# Altium PCB PCB1.PcbDoc (part 1 of 2)
Units mil, origin at the board's own origin, x right, y up, seen from the top; angles counter-clockwise.
Board outline 5905.51 x 3937.01 mil, 4 copper layers (Top Layer, Mid-Layer 1, Mid-Layer 2, Bottom Layer); 124 components, 80 nets, 385 pads, 303 vias.
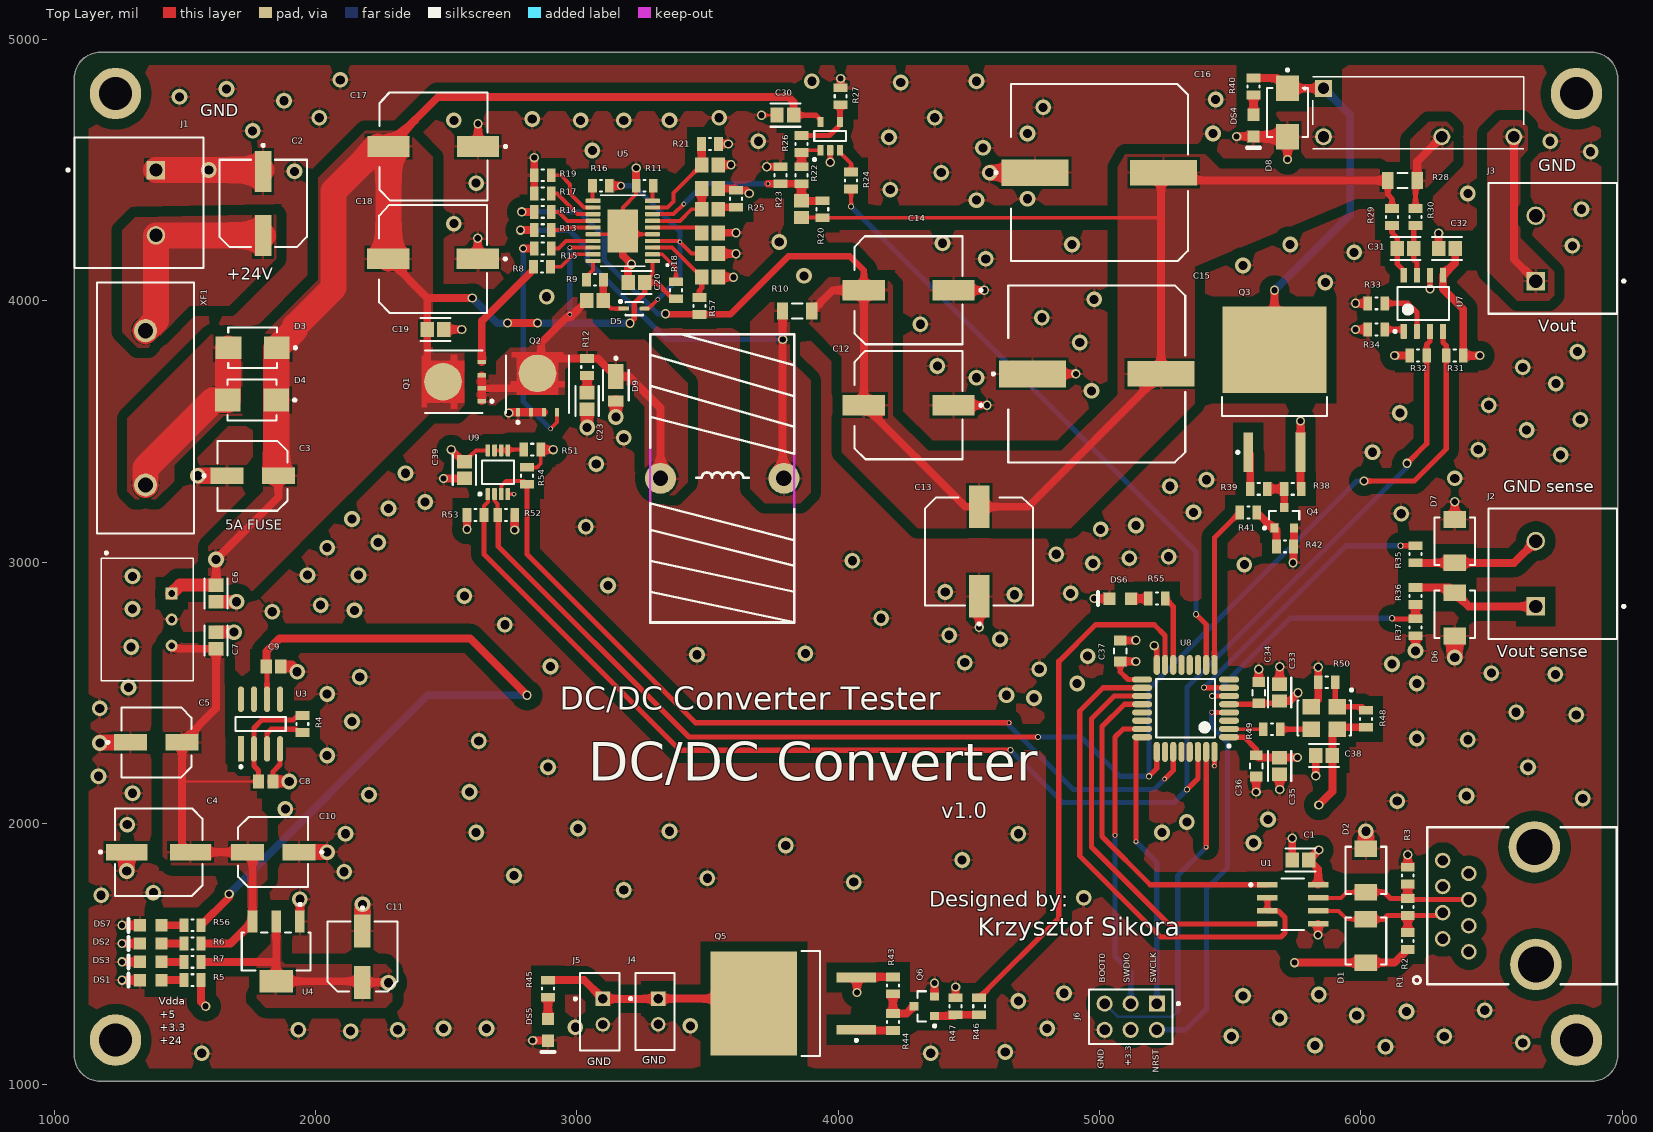
[diagram p0: Top Layer view]
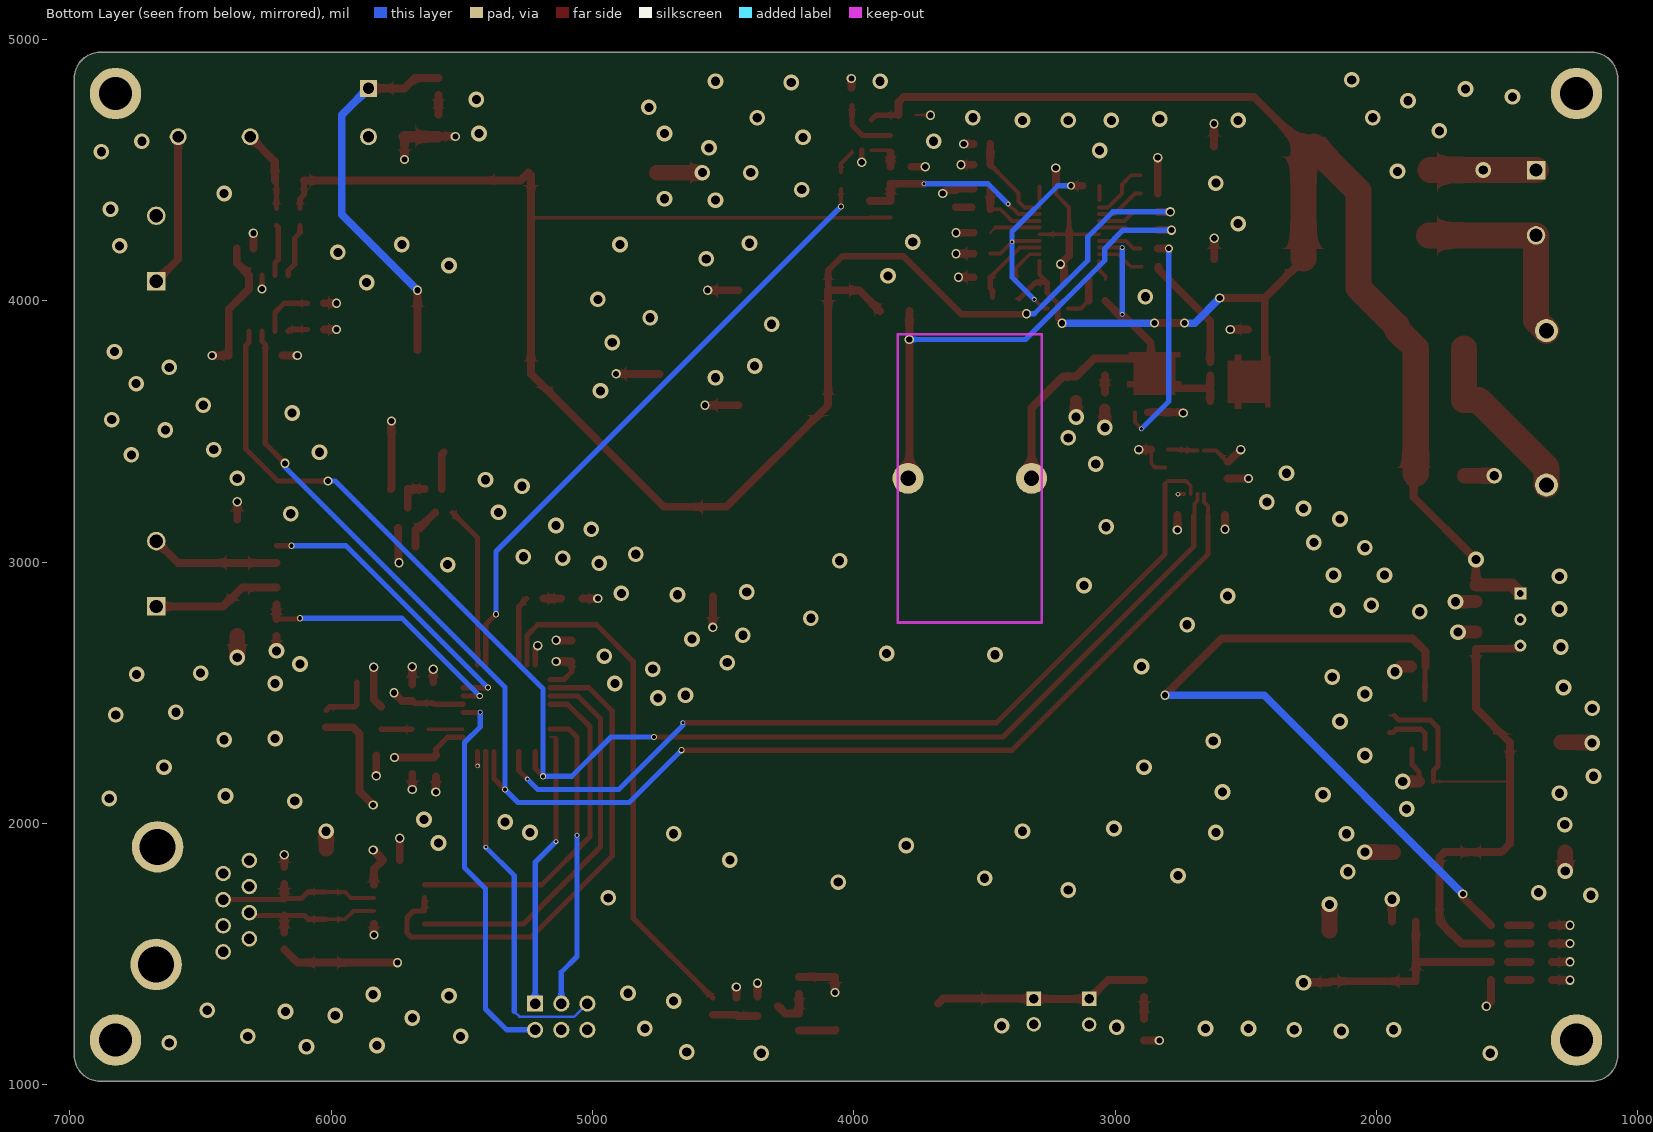
[diagram p1: Bottom Layer view, seen from below]
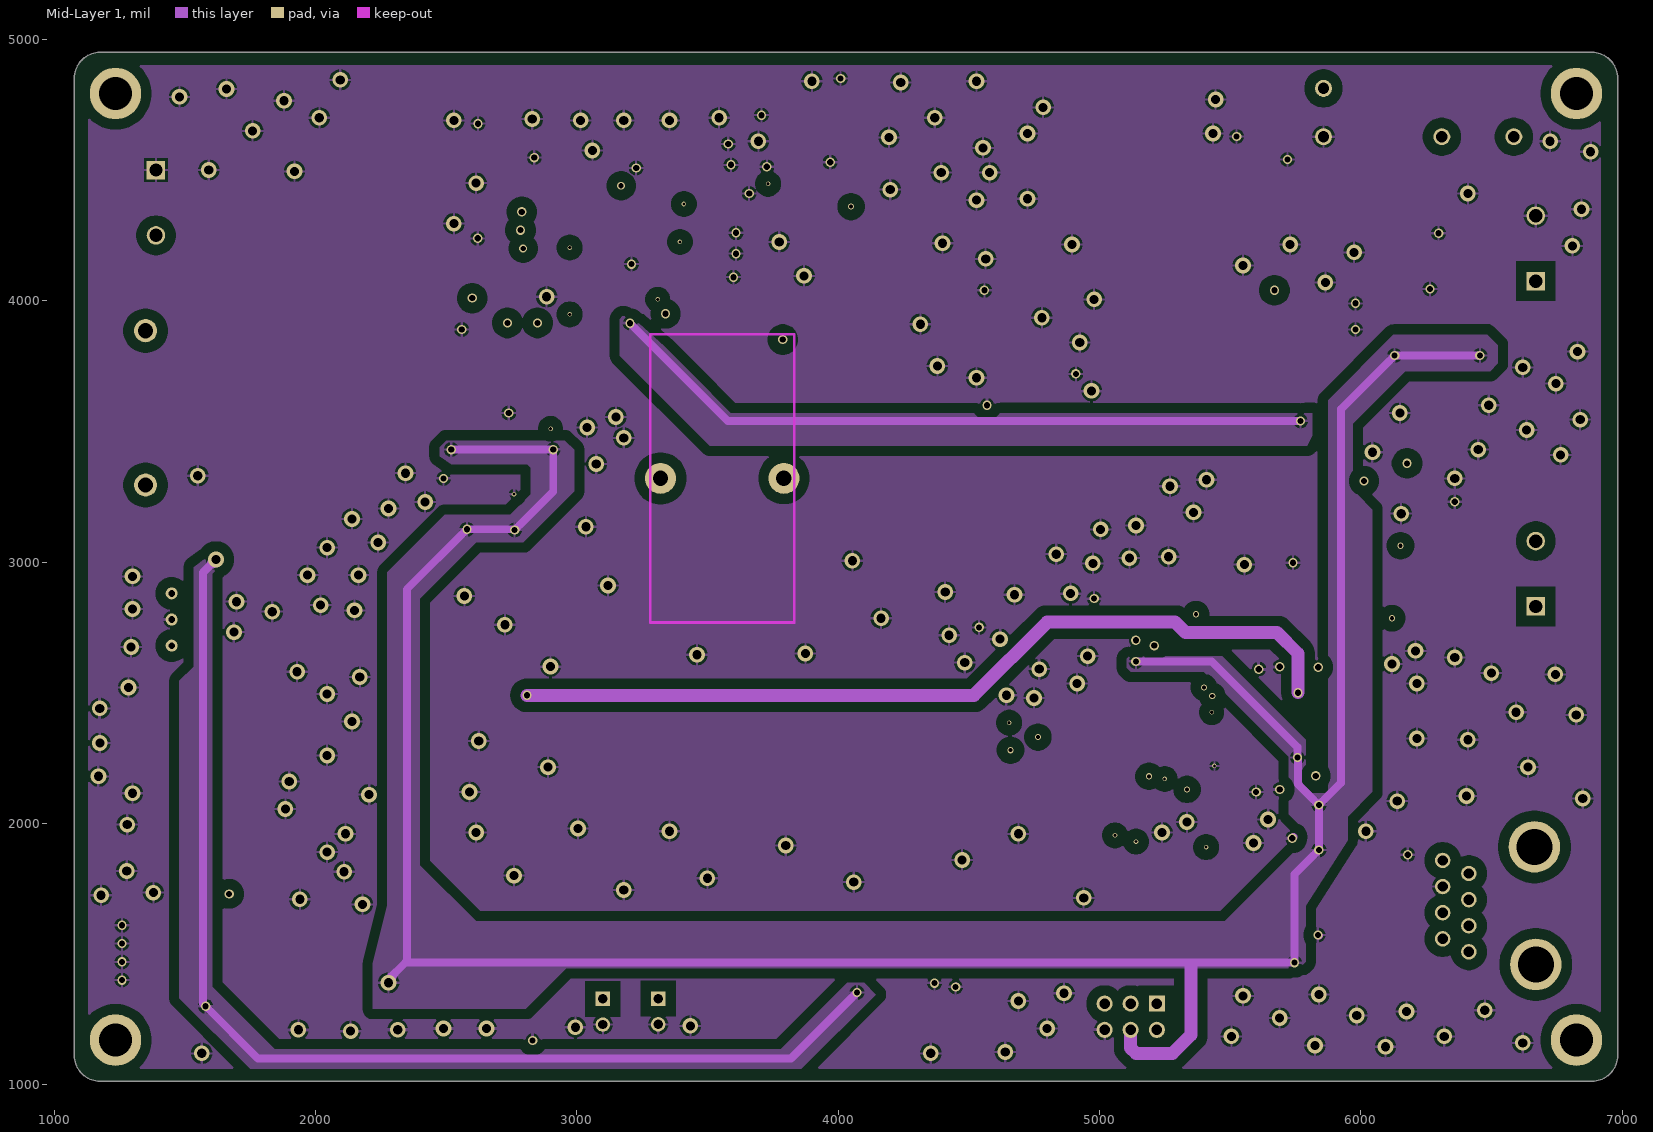
[diagram p2: Mid-Layer 1]
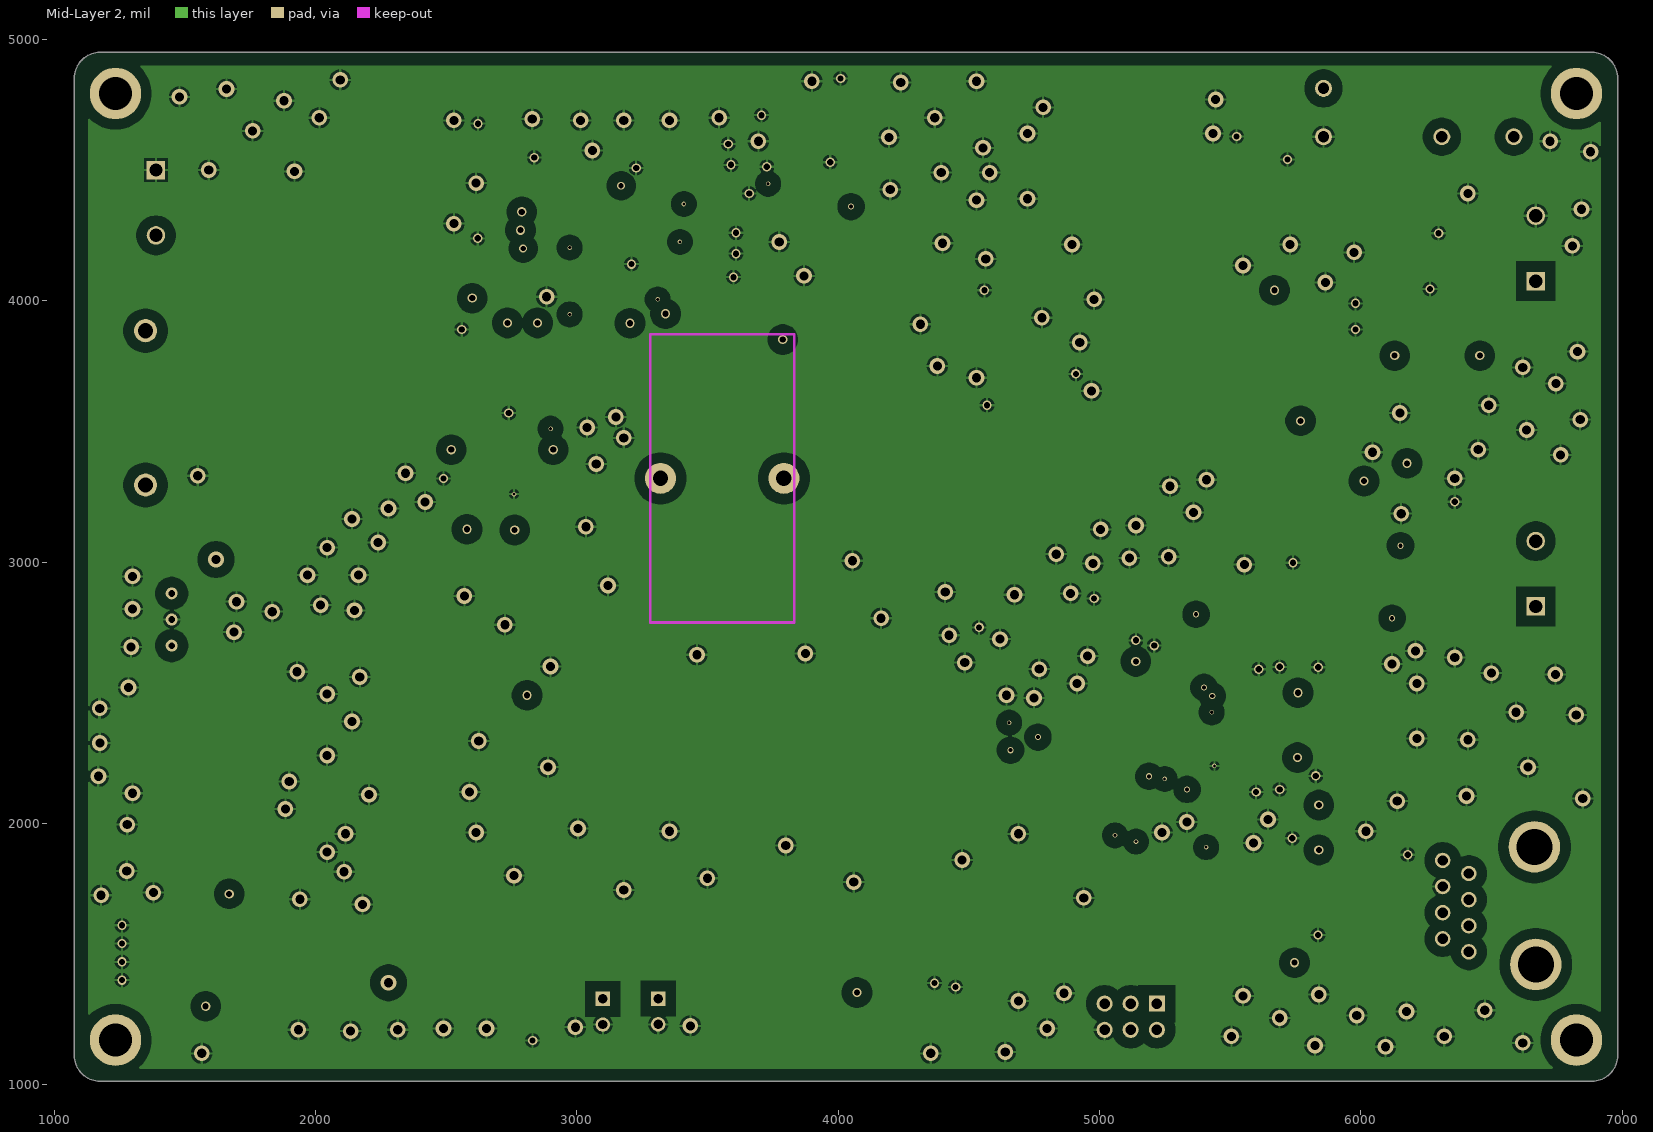
[diagram p3: Mid-Layer 2]

## Layer stack, top to bottom
Top Solder: solder mask 0.4, Solder Resist, Dk 3.5
Top Layer: signal copper 1.4
Dielectric 1: dielectric 12.6, FR-4, Dk 4.8
Mid-Layer 1: signal copper 1.4
Dielectric2: dielectric 12.6, FR-4, Dk 4.8
Mid-Layer 2: signal copper 1.4
Dielectric3: dielectric 12.6, FR-4, Dk 4.8
Bottom Layer: signal copper 1.4
Bottom Solder: solder mask 0.4, Solder Resist, Dk 3.5

## Board outline
1077.73,1111.71 ccw(c1176.15,1111.71) 1176.15,1013.28 6884.81,1013.28 ccw(c6884.81,1111.71) 6983.24,1111.71 6983.24,4851.86 ccw(c6884.81,4851.86) 6884.81,4950.29 1176.15,4950.29 ccw(c1176.15,4851.86) 1077.73,4851.86

## Design rules (kind name [scope] priority, off if disabled: settings)
Clearance [All] p1: gap=3.5 ignorepadtopadclearanceinfootprint=FALSE except(5: Arc-SMDPad Track-SMDPad SMDPad-SMDPad; 7.87: Arc-THPad Arc-Via Arc-Hole Track-THPad Track-Via Track-Hole SMDPad-THPad SMDPad-Via SMDPad-Hole THPad-THPad THPad-Via THPad-Hole Via-Via Via-Hole Fill-Hole Poly-Hole Region-Hole Text-Hole; 10: Arc-Text Track-Text SMDPad-Text THPad-Text Via-Text Fill-Text Poly-Text Region-Text Text-Text; 40: Arc-Poly Track-Poly SMDPad-Poly THPad-Poly Via-Poly Fill-Poly Poly-Poly)
Height [All] p1: minheight=0 maxheight=2000 prefheight=500
HoleSize [All] p1: absolutevalues=TRUE maxlimit=200 minlimit=1 maxpercent=80.000 minpercent=20.000
MinimumSolderMaskSliver [All] p1: minsoldermaskwidth=1
PlaneClearance [All] p1: clearance=40
PolygonConnect [All] p1: connectstyle=Relief reliefconductorwidth=10 reliefentries=4 polygonreliefangle="90 Angle" airgapwidth=10
RoutingVias [All] p1: holewidth=15.75 width=23.62 viastyle="Through Hole" minholewidth=11.81 minwidth=17.72 maxholewidth=200 maxwidth=300
SilkToSolderMaskClearance [IsPad] p1: minsilkscreentomaskgap=5.91 clearancetoexposedcopper=TRUE
SolderMaskExpansion [IsVia] p1: expansion=4 istentingtop=TRUE
SolderMaskExpansion SolderMaskExpansion_1 [All] p2: expansion=4 istentingtop=FALSE
SupplyNets "Schematic Supply Nets_4" [InNet('+3.3')] p1: voltage=0.000
SupplyNets "Schematic Supply Nets_3" [InNet('GND')] p2: voltage=0.000
SupplyNets "Schematic Supply Nets_2" [InNet('+5')] p3: voltage=0.000
SupplyNets "Schematic Supply Nets_1" [InNet('VDDA')] p4: voltage=0.000
SupplyNets "Schematic Supply Nets" [InNet('VIN_MP9928')] p5: voltage=0.000
Width [All] p1: maxlimit=100 minlimit=3.5 preferedwidth=8 minimp=50.000000 maximp=50.000000 favimp=50.000000
25 further rules are at their usual default settings.

## Classes and differential pairs
component class Designator: C1 D1 D2 R1 R2 R3 U1

## Components (designator, comment, footprint, x,y, rotation, side; value= is the part's Value field where it differs from the comment)
C1 "100nF" FP-0805-L_2_01_0_2-W_1_25-IPC_B 5770,1860 r180 top
C2 "22uF" FP-FCE-MFG 1800,4372.05 r270 top
C3 "10uF" FP-FKD-MFG 1760,3330 r0 top
C4 "22uF" FP-FCE-MFG 1400,1890 r0 top
C5 "10uF" FP-FKD-MFG 1391.57,2310 r0 top
C6 "100nF" FP-0805-L_2_01_0_2-W_1_25-IPC_B 1620,2880 r270 top
C7 "100nF" FP-0805-L_2_01_0_2-W_1_25-IPC_B 1620,2700 r90 top
C8 "1uF" CAPC2013X140X50LL20T25 1810,2160 r180 top
C9 "2uF" CAPC2013X140X50LL20T25 1840,2600 r180 top
C10 "1uF" FP-FKD-MFG 1838.43,1890 r180 top
C11 "2.2uF" FP-FKD-MFG 2180,1490 r270 top
C12 "22u" FP-FKG-MFG 4270,3600 r180 top value=220uF
C13 "220u" FP-FKG-MFG 4540,3040 r90 top value=220uF
C14 "220u" FP-FKG-MFG 4270,4040 r180 top value=220uF
C15 "470u" FP-FKJ16-MFG 4990,3720 r0 top
C16 "470u" FP-FKJ16-MFG 5000,4490 r0 top
C17 "220u" FP-FKG-MFG 2451.26,4590 r180 top value=220uF
C18 "22u" FP-FKG-MFG 2450,4160 r180 top value=220uF
C19 "1u" FP-0805-L_2_01_0_2-W_1_25-IPC_B 2460,3890 r180 top
C20 "1u" FP-0805-L_2_01_0_2-W_1_25-IPC_B 3228.28,4070 r0 top
C23 "220p" FP-0805-L_2_01_0_2-W_1_25-IPC_B 3040,3616.54 r90 top
C30 "100n" FP-0805-L_2_01_0_2-W_1_25-IPC_B 3798.28,4710 r0 top
C31 "100nF" FP-0805-L_2_01_0_2-W_1_25-IPC_B 6171.72,4200 r0 top
C32 "100nF" FP-0805-L_2_01_0_2-W_1_25-IPC_B 6330,4200 r0 top
C33 "2.2uF" FP-0805-L_2_01_0_2-W_1_25-IPC_B 5690,2500 r90 top
C34 "100nF" FP-CGA3E-0_3-0_1-IPC_A 5610,2500 r90 top
C35 "2.2uF" FP-0805-L_2_01_0_2-W_1_25-IPC_B 5690,2220 r270 top
C36 "100nF" FP-CGA3E-0_3-0_1-IPC_A 5600,2220 r270 top
C37 "100nF" FP-CGA3E-0_3-0_1-IPC_A 5080,2660 r90 top
C38 "10nF" FP-0805-L_2_01_0_2-W_1_25-IPC_B 5860,2260 r180 top
C39 "100nF" FP-0805-L_2_01_0_2-W_1_25-IPC_B 2570,3351.72 r270 top
D1 "TVS" FP-SMB-MFG 6020,1550 r270 top
D2 "TVS" FP-SMB-MFG 6020,1820 r270 top
D3 "MBRS130L" FP-403AF-MFG 1760,3820 r180 top
D4 "MBRS130L" FP-403AF-MFG 1757.48,3620 r180 top
D5 "1N4148WS" FP-477AB-IPC_C 3220,3970 r0 top
D6 "TVS" FP-SMB-MFG 6360,2800 r270 top
D7 "TVS" FP-SMB-MFG 6360,3080 r90 top
D8 "MBRS130L" FP-403AF-MFG 5720,4720 r270 top
D9 "DFLS1150-7" FP-PowerDI123-MFG 3150,3676.54 r90 top value=28pF
DS1 "LED" AVAG-HSMX-C170_V 1370,1400 r180 top
DS2 "LED" AVAG-HSMX-C170_V 1370,1540 r180 top
DS3 "LED" AVAG-HSMX-C170_V 1370,1470 r180 top
DS4 "LED" AVAG-HSMX-C170_V 5590,4670 r270 top
DS5 "LED" AVAG-HSMX-C170_V 2890,1210 r270 top
DS6 "LED" AVAG-HSMX-C170_V 5080,2860 r180 top
DS7 "LED" AVAG-HSMX-C170_V 1370,1610 r180 top
J1 "1714955" PHOE-1714955_V 1390,4375 r270 top
J2 "1714955" PHOE-1714955_V 6670,2955 r90 top
J3 "1714955" PHOE-1714955_V 6670,4200 r90 top
J4 "JST" FP-B2B-EH-A_LF_SN-MFG 3300,1280 r270 top
J5 "JST" FP-B2B-EH-A_LF_SN-MFG 3088.19,1279.21 r270 top
J6 "M20-9980346" FP-M20-9980346-MFG 5120,1260 r180 top
Q1 "SQJ850EP-T1-GE3" FP-T16-0221-SINGLE-MFG 2530,3690 r90 top
Q2 "SQJ850EP-T1-GE3" FP-T16-0221-SINGLE-MFG 2850,3680 r0 top
Q3 "IPB80P03P4-05" INF-PG-TO263-3-2_N 5670,3660 r90 top
Q4 "MMBTA42LT1G" ONSC-SOT-23-3-318-08_V 5707.4,3169.37 r90 top
Q5 "IPB80P03P4-05" INF-PG-TO263-3-2_N 3829.84,1310 r180 top
Q6 "MMBTA42LT1G" ONSC-SOT-23-3-318-08_V 4330,1300 r180 top
R1 "680" RESC2013X50X30LL20T20 6180,1550 r270 top
R2 "120" RESC2013X50X30LL20T20 6180,1680 r270 top
R3 "680" RESC2013X50X30LL20T20 6180,1800 r270 top
R4 "10k" RESC2013X50X30LL20T20 1950,2380 r90 top
R5 "2.2k" RESC2013X50X30LL20T20 1530,1400 r0 top
R6 "470" RESC2013X50X30LL20T20 1530,1540 r0 top
R7 "330" RESC2013X50X30LL20T20 1530,1470 r0 top
R8 "0" RESC2013X50X30LL20T20 2867.52,4130 r0 top
R9 "2.2" RESC2013X50X30LL20T20 3070,4080 r180 top
R10 "7m" RESC3216X70X50NL05T20 3843.9,3960 r0 top
R11 "37.4k" RESC2013X50X30LL20T20 3260,4440 r0 top
R12 "10" RESC2013X50X30LL20T20 3040,3746.54 r270 top
R13 "0" RESC2013X50X30LL20T20 2870,4270 r0 top
R14 "0" RESC2013X50X30LL20T20 2870,4340 r0 top
R15 "0" RESC2013X50X30LL20T20 2870,4200 r0 top
R16 "100k" RESC2013X50X30LL20T20 3092.48,4440 r0 top
R17 "100k" RESC2013X50X30LL20T20 2870,4410 r180 top
R18 "100k" RESC2013X50X30LL20T20 3380,4040 r270 top
R19 "DNP" RESC2013X50X30LL20T20 2870,4480 r180 top
R20 "22k" RESC2013X50X30LL20T20 3940,4350 r270 top
R21 "37.4k" RESC2013X50X30LL20T20 3510,4600 r0 top
R22 "3.3k" RESC2013X50X30LL20T20 3860,4480 r90 top
R23 "1.3k" RESC2013X50X30LL20T20 3780,4480 r90 top
R24 "10k" RESC2013X50X30LL20T20 4050,4460 r90 top
R25 "10k" RESC2013X50X30LL20T20 3610,4390 r90 top
R26 "10k" RESC2013X50X30LL20T20 3860,4600 r270 top
R27 "10k" RESC2013X50X30LL20T20 4010,4782.48 r90 top
R28 "100m" RESC3216X70X50NL05T20 6160,4460 r0 top
R29 "10" RESC2013X50X30LL20T20 6120,4320 r90 top
R30 "10" RESC2013X50X30LL20T20 6210,4320 r90 top
R31 "4.7k" RESC2013X50X30LL20T20 6360,3790 r0 top
R32 "4.7k" RESC2013X50X30LL20T20 6220,3790 r180 top
R33 "0" RESC2013X50X30LL20T20 6060,3990 r0 top
R34 "0" RESC2013X50X30LL20T20 6060,3890 r0 top
R35 "10k" RESC2013X50X30LL20T20 6210,3030 r270 top
R36 "100k" RESC2013X50X30LL20T20 6210,2870 r270 top
R37 "10k" RESC2013X50X30LL20T20 6210,2750 r270 top
R38 "10k" RESC2013X50X30LL20T20 5740,3280 r0 top
R39 "1k" RESC2013X50X30LL20T20 5610,3280 r180 top
R40 "2.2k" RESC2013X50X30LL20T20 5590,4820 r90 top
R41 "1k" RESC2013X50X30LL20T20 5570,3190 r0 top
R42 "100k" RESC2013X50X30LL20T20 5710,3060 r180 top
R43 "10k" RESC2013X50X30LL20T20 4210,1380 r90 top
R44 "1k" RESC2013X50X30LL20T20 4210,1240 r270 top
R45 "2.2k" RESC2013X50X30LL20T20 2890,1367.52 r90 top
R46 "1k" RESC2013X50X30LL20T20 4540,1300 r270 top
R47 "100k" RESC2013X50X30LL20T20 4450,1300 r270 top
R48 "100k" RESC2013X50X30LL20T20 6020,2400 r270 top
R49 "100" RESC2013X50X30LL20T20 5660,2360 r180 top
R50 "100k" RESC2013X50X30LL20T20 5870,2540 r0 top
R51 "10k" RESC2013X50X30LL20T20 2830,3430 r0 top
R52 "10k" RESC2013X50X30LL20T20 2730,3180 r0 top
R53 "10k" RESC2013X50X30LL20T20 2612.48,3180 r180 top
R54 "10k" RESC2013X50X30LL20T20 2810,3330 r90 top
R55 "330" RESC2013X50X30LL20T20 5220,2860 r0 top
R56 "330" RESC2013X50X30LL20T20 1530,1610 r0 top
R57 "0" RESC2013X50X30LL20T20 3470,3980 r90 top
U1 "MAX3485EESA+" FP-S8-5-MFG 5740,1690 r0 top
U3 "LT1461CCS8-3.3#PBF" FP-S8-8-05-08-1610-IPC_A 1790,2380 r90 top
U4 "TLV76133" FP-DCY0004A-MFG 1850,1510 r270 top
U5 "MP9928" SOP65P640X110-21N 3176.42,4267.2 r180 top
U7 "INA219AID" D0008A_N 6240,3990 r90 top
U8 "STM32F303K8T6" STM-LQFP32_M 5330,2440 r180 top
U9 "LM75BIMM-3/NOPB" DGK0008A_L 2698.39,3343.66 r90 top
XF1 "Fuse 1A" 696106003002 1350,3590 r270 top

## Footprints (in the part's own frame and the unit in brackets; to place one, negate y for a bottom-side part, rotate by r counter-clockwise, add the part's x,y. Pads: shape width x height; smd on the part's side, far side on the other; paste and mask are expansions set on the pad)
696106003002 [mm] "FUSEHOLDER BLOCKS - PCB - CLIP COVER - THT"
  round 2.25 hole 1.5: 1(-7.5,0) 2(7.5,0)
  silkscreen extent -12.2,-4.7 12.2,4.7, body extent -12.2,-4.7 12.2,4.7, height 11.55
AVAG-HSMX-C170_V [mm] "SMD, 2-Leads, Body 2x1.25mm, Height 0.8mm"
  rect 1.2x1.2 smd: 1(-1.05,0) 2(1.05,0)
  silkscreen extent 2.15,-0.63 2.15,0.63, body extent -1,-0.63 1,0.63, height 0.8
CAPC2013X140X50LL20T25 [mm] "Chip Capacitor, 2-Leads, Body 2.00x1.25mm, IPC High Density"
  rect 1.1x1.35 smd: 1(-0.7,0) 2(0.7,0)
  body extent -1.1,-0.72 1.1,0.72, height 1.4
D0008A_N [mm] "SOIC, 8-Leads, Body 5x4mm, Pitch 1.27mm, IPC Medium Density"
  rrect17% 1.45x0.6 smd: 1(-2.725,1.905) 2(-2.725,0.635) 3(-2.725,-0.635) 4(-2.725,-1.905) 5(2.725,-1.905) 6(2.725,-0.635) 7(2.725,0.635) 8(2.725,1.905)
  silkscreen extent -2.85,-2.5 1.6,2.88, body extent -3,-2.45 3,2.45, height 1.63
DGK0008A_L [mm] "TSOP, 8-Leads, Body 3.1x3.1mm, Pitch 0.65mm, IPC High Density"
  rrect22% 1.15x0.45 smd: 1(-2.125,0.975) 2(-2.125,0.325) 3(-2.125,-0.325) 4(-2.125,-0.975) 5(2.125,-0.975) 6(2.125,-0.325) 7(2.125,0.325) 8(2.125,0.975)
  silkscreen extent -2.25,-1.55 1.15,1.87, body extent -2.45,-1.5 2.45,1.5, height 0.94
FP-403AF-MFG [mm]
  rect 2.5x2.2 smd paste+0 mask+0: 1(-2.35,0) 2(2.35,0)
  silkscreen extent -4.28,-1.97 2.37,1.97, body extent -3.7,-2.07 3.7,2.07, height 0.25
FP-477AB-IPC_C [mil]
  rect 39.59x15.45 smd paste+0 mask+0: 1(-39.38,0)
  rrect100% 39.59x15.45 smd paste+0 mask+0: 2(39.38,0)
  silkscreen extent -57,-26 33,32, body extent -63,-29 63,29, height 10
FP-0805-L_2_01_0_2-W_1_25-IPC_B [mil]
  rect 51.36x57.33 smd paste+0 mask+0: 1(-31.72,0) 2(31.72,0)
  silkscreen extent -57,-44 57,44, body extent -67,-39 67,39, height 10
FP-B2B-EH-A_LF_SN-MFG [mm]
  rect 1.4x1.4 hole 0.9 paste-2539.97 mask+0: 1(-1.25,0.3)
  round 1.4 hole 0.9 paste-2539.97 mask+0: 2(1.25,0.3)
  silkscreen extent -3.75,-2.5 3.75,1.9, body extent -3.85,-2 3.85,2, height 0.25
FP-CGA3E-0_3-0_1-IPC_A [mm]
  rect 0.956x1.206 smd paste+0 mask+0: 1(-1.025,0) 2(1.025,0)
  silkscreen extent -0.25,-0.6 0.25,0.6, body extent -0.8,-0.4 0.8,0.4, height 1.1
FP-DCY0004A-MFG [mm]
  rect 2.15x0.95 smd paste+0 mask+0: 1(-2.9,2.3) 2(-2.9,0) 3(-2.9,-2.3)
  rect 2.15x3.25 smd paste+0 mask+0: 4(2.9,0)
  silkscreen extent -4.7,-3.35 1.85,3.35, body extent -4.08,-3.45 4.08,3.45, height 0.25
FP-FCE-MFG [mm]
  rect 4x1.6 smd paste+0 mask+0: 1(-3.1,0) 2(3.1,0)
  silkscreen extent -5.77,-4.25 4.25,4.25, body extent -5.35,-4.5 5.35,4.5, height 0.25
FP-FKD-MFG [mm]
  rect 3.2x1.6 smd paste+0 mask+0: 1(-2.5,0) 2(2.5,0)
  silkscreen extent -4.85,-3.4 3.4,3.4, body extent -4.35,-3.65 4.35,3.65, height 0.25
FP-FKG-MFG [mm]
  rect 4.1x2 smd paste+0 mask+0: 1(-4.35,0) 2(4.35,0)
  silkscreen extent -7.15,-5.25 5.25,5.25, body extent -6.5,-5.35 6.5,5.35, height 0.25
FP-FKJ16-MFG [mm]
  rect 6.5x2.6 smd paste+0 mask+0: 1(-6.25,0)
  rect 6.5x2.5 smd paste+0 mask+0: 2(6.25,0)
  silkscreen extent -10.17,-8.6 8.6,8.6, body extent -9.75,-8.85 9.75,8.85, height 0.25
FP-M20-9980346-MFG [mm]
  rect 1.57x1.57 hole 1.02 paste-2539.97 mask+0: 1(-2.54,-1.27)
  round 1.57 hole 1.02 paste-2539.97 mask+0: 2(-2.54,1.27) 3(0,-1.27) 4(0,1.27) 5(2.54,-1.27) 6(2.54,1.27)
  silkscreen extent -4.76,-2.64 4.06,2.64, body extent -4.16,-2.74 4.16,2.74, height 0.25
FP-PowerDI123-MFG [mm]
  rect 2.4x1.5 smd paste+0 mask+0: 1(0.85,0)
  rect 1.05x1.5 smd paste+0 mask+0: 2(-1.525,0)
  silkscreen extent -1.5,-1.25 2.75,1.25, body extent -2.15,-1.06 2.15,1.06, height 0.25
FP-S8-5-MFG [mm]
  rect 1.98x0.53 smd paste+0 mask+0: 1(-2.465,1.905) 2(-2.465,0.635) 3(-2.465,-0.635) 4(-2.465,-1.905) 5(2.465,-1.905) 6(2.465,-0.635) 7(2.465,0.635) 8(2.465,1.905)
  silkscreen extent -4.2,-2.5 1.1,2.5, body extent -3.55,-2.75 3.55,2.75, height 0.25
FP-S8-8-05-08-1610-IPC_A [mil]
  rect 97.52x23.67 smd paste+0 mask+0: 1(-95,75)
  rrect100% 97.52x23.67 smd paste+0 mask+0: 2(-95,25) 3(-95,-25) 4(-95,-75) 5(95,-75) 6(95,-25) 7(95,25) 8(95,75)
  silkscreen extent -168,-97 27,97, body extent -163,-116 163,116, height 10
FP-SMB-MFG [mm]
  rect 1.62x2.18 smd paste+0 mask+0: 1(-2.11,0) 2(2.11,0)
  silkscreen extent -2.3,-1.97 2.3,1.97, body extent -3.02,-2.07 3.02,2.07, height 0.25
FP-T16-0221-SINGLE-MFG [mm]
  rect 0.41x0.82 smd paste+0 mask+0: 1(-1.905,-2.715) 2(-0.635,-2.715) 3(0.635,-2.715) 4(1.905,-2.715)
  round 3.655 smd paste+0 mask+0: 5(0,1.061)
  Top Layer region: 0,-1.015 -2.03,-1.015 -2.03,-0.305 -2.625,-0.305 -2.625,0.305 -2.03,0.305 -2.03,2.615 -2.5,2.615 -2.5,3.125 2.5,3.125 2.5,2.615 2.03,2.615 2.03,0.305 2.625,0.305 2.625,-0.305 2.03,-0.305 2.03,-1.015
  silkscreen extent -3.05,-3.82 3.05,2.78, body extent -2.73,-3.22 2.73,3.22, height 0.25
INF-PG-TO263-3-2_N [mm] "DPAK, 3-Leads, Body 10x9.25mm, Pitch 2.54mm, IPC Medium Density"
  rect 3.85x0.95 smd: 1(-6.1,2.54) 3(-6.1,-2.54)
  rect 8.4x10.1 smd: 2(3.85,0)
  silkscreen extent -6.22,-5.1 -0.75,5.1, body extent -2.55,-5.1 6.9,5.1, height 4.4
ONSC-SOT-23-3-318-08_V [mm] "SOT23, 3-Leads, Body 2.92x1.3mm, Pitch 0.95mm"
  rect 0.9x0.8 smd: 1(-1,0.95) 2(-1,-0.95) 3(1,0)